# KiCad board PiEEG.kicad_pcb (continued)
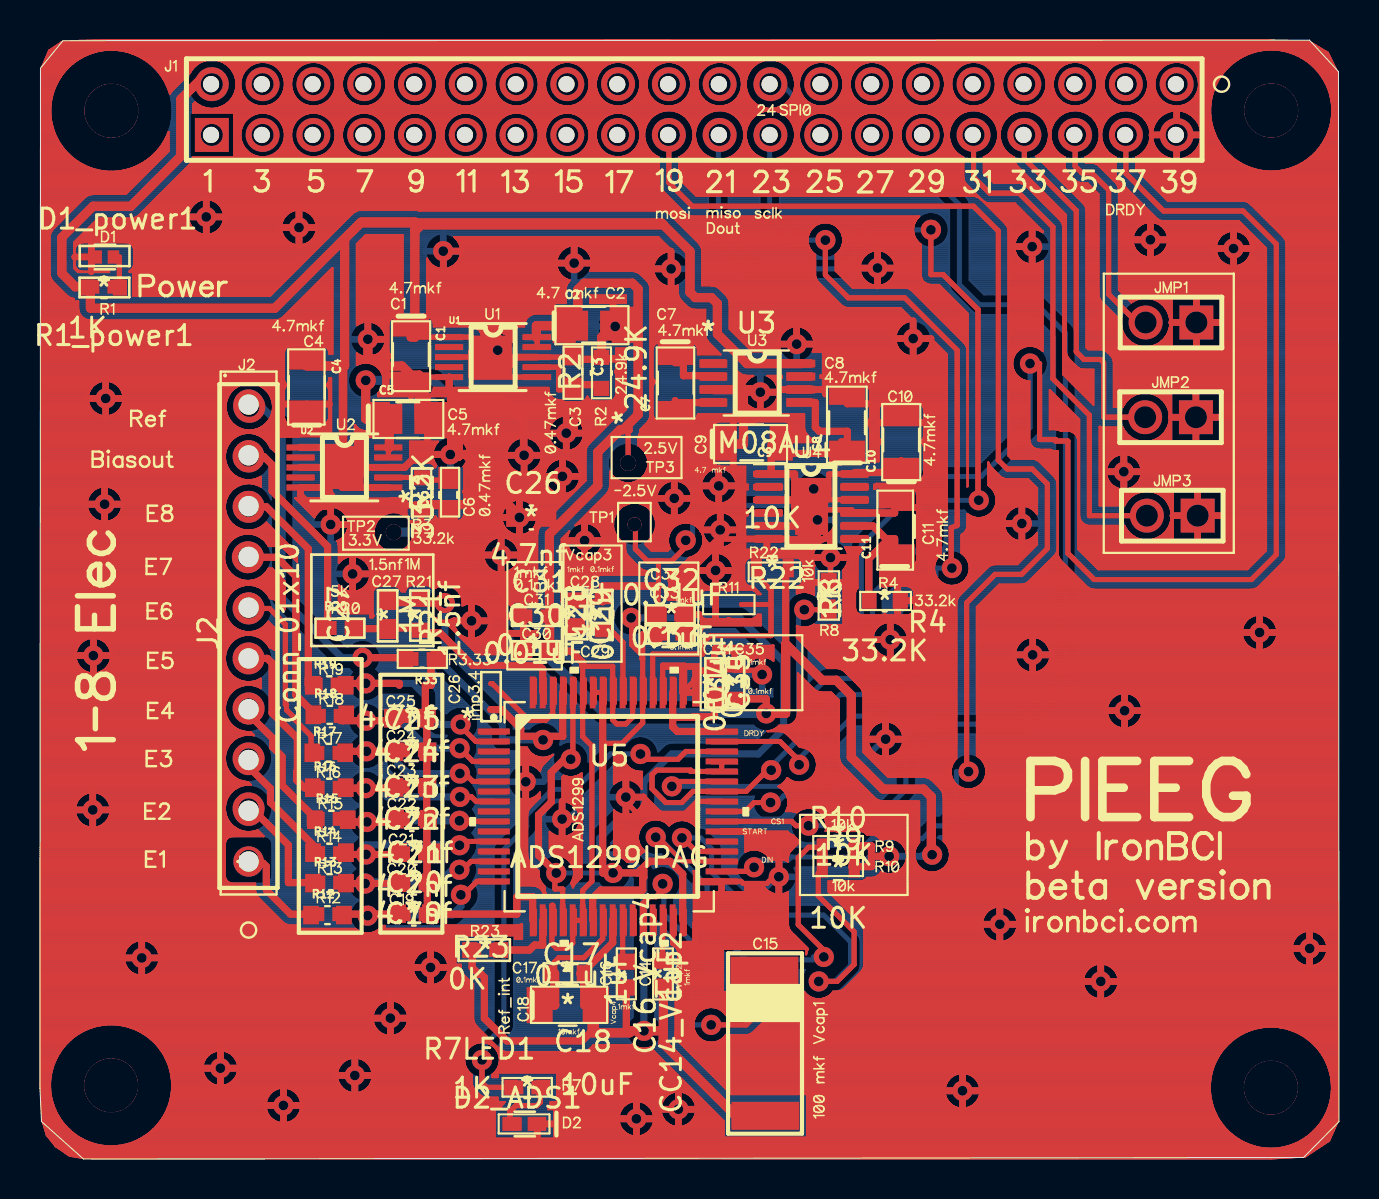
[diagram p0: board, top side]
## Routing (per net, layer and track width the routed paths; a pad name or vN(x,y) marks a point on that pad's centre or on a via; arc(x,y) is an arc through that point) (continued)
; 39.43,46.85 39.48,46.84 ; 39.43,46.85 39.48,46.84 ; 35.52,15.46 35.56,15.47 ; 35.52,15.46 35.56,15.47 ; 35.56,15.47 35.61,15.48 ; 35.56,15.47 35.61,15.48 ; 4.92,6.42 5.05,6.35 ; 4.92,6.42 4.78,6.48 ; 4.92,6.42 4.78,6.48 ; 4.92,6.42 5.05,6.35 ; 5.05,6.35 5.18,6.27 ; 5.05,6.35 5.18,6.27 ; 43.07,54.02 43.1,54.12 ; 43.07,54.02 43.05,53.92 ; 43.07,54.02 43.1,54.12 ; 43.07,54.02 43.05,53.92 ; 43.1,54.12 43.13,54.21 ; 43.1,54.12 43.13,54.21 ; 34.98,54.3 35.02,54.21 ; 34.98,54.3 35.02,54.21 ; 34.98,54.3 34.93,54.39 ; 34.98,54.3 34.93,54.39 ; 35.02,54.21 35.06,54.12 ; 35.02,54.21 35.06,54.12 ; 2.31,6.47 2.44,6.53 ; 2.31,6.47 2.17,6.41 ; 2.31,6.47 2.17,6.41 ; 2.31,6.47 2.44,6.53 ; 2.44,6.53 2.58,6.58 ; 2.44,6.53 2.58,6.58 ; 11.19,16.15 10.89,16.45 ; 11.19,16.15 9.73,16.15 ; 11.19,16.15 9.73,16.15 ; 11.19,16.15 10.89,16.45 ; 10.89,16.45 10.79,16.41 ; 10.89,16.45 10.79,16.41 ; 35.31,29.96 35.35,30 ; 35.31,29.96 35.28,29.91 ; 35.31,29.96 35.28,29.91 ; 35.31,29.96 35.35,30 ; 35.35,30 35.4,30.04 ; 35.35,30 35.4,30.04 ; 20.68,28.6 20.72,28.57 ; 20.68,28.6 20.63,28.62 ; 20.68,28.6 20.72,28.57 ; 20.68,28.6 20.63,28.62 ; 20.72,28.57 20.76,28.55 ; 20.72,28.57 20.76,28.55 ; 8.23,4.96 8.2,4.89 ; 8.23,4.96 8.2,4.89 ; 35.35,28.72 35.31,28.76 ; 35.35,28.72 35.4,28.69 ; 35.35,28.72 35.4,28.69 ; 35.35,28.72 35.31,28.76 ; 35.31,28.76 35.28,28.81 ; 35.31,28.76 35.28,28.81 ; 41.95,37.51 41.95,37.55 ; 41.95,37.51 41.95,37.55 ; 5.85,10.52 5.89,10.46 ; 5.85,10.52 5.89,10.46 ; 5.85,10.52 5.82,10.58 ; 5.85,10.52 5.82,10.58 ; 5.89,10.46 5.92,10.4 ; 5.89,10.46 5.92,10.4 ; 33.01,7.41 33.05,7.44 ; 33.01,7.41 33.05,7.44 ; 33.01,7.41 32.98,7.37 ; 33.01,7.41 32.98,7.37 ; 33.05,7.44 33.09,7.47 ; 33.05,7.44 33.09,7.47 ; 38.2,53.08 38.15,53.16 ; 38.2,53.08 38.27,53 ; 38.2,53.08 38.27,53 ; 38.2,53.08 38.15,53.16 ; 38.15,53.16 38.09,53.25 ; 38.15,53.16 38.09,53.25 ; 58.65,51.62 58.61,51.77 ; 58.65,51.62 58.61,51.77 ; 58.65,51.62 58.69,51.48 ; 58.65,51.62 58.69,51.48 ; 58.61,51.77 58.58,51.92 ; 58.61,51.77 58.58,51.92 ; 27.21,36.45 27.21,36.38 ; 27.21,36.45 27.21,36.38 ; 27.21,36.38 27.22,36.31 ; 27.21,36.38 27.22,36.31 ; 20.86,45.98 20.91,45.92 ; 20.86,45.98 20.82,46.03 ; 20.86,45.98 20.91,45.92 ; 20.86,45.98 20.82,46.03 ; 20.91,45.92 20.94,45.86 ; 20.91,45.92 20.94,45.86 ; 52.17,8.89 52.17,8.96 ; 52.17,8.89 52.17,8.82 ; 52.17,8.89 52.17,8.96 ; 52.17,8.89 52.17,8.82 ; 52.17,8.96 52.18,9.03 ; 52.17,8.96 52.18,9.03 ; 16.64,4.18 16.64,4.17 ; 16.64,4.18 16.64,4.25 ; 16.64,4.18 16.64,4.17 ; 16.64,4.18 16.64,4.25 ; 16.64,4.17 16.64,4.1 ; 16.64,4.17 16.64,4.1 ; 11.06,26.54 10.97,26.49 ; 11.06,26.54 10.97,26.49 ; 10.97,26.49 10.88,26.45 ; 10.97,26.49 10.88,26.45 ; 52.5,28.54 52.46,28.56 ; 52.5,28.54 52.46,28.56 ; 52.5,28.54 52.53,28.52 ; 52.5,28.54 52.53,28.52 ; 52.46,28.56 52.43,28.58 ; 52.46,28.56 52.43,28.58 ; 16.29,39.85 16.34,39.85 ; 16.29,39.85 16.34,39.85 ; 16.29,39.85 16.24,39.85 ; 16.29,39.85 16.24,39.85 ; 16.34,39.85 16.39,39.84 ; 16.34,39.85 16.39,39.84 ; 10.97,34.09 10.88,34.05 ; 10.97,34.09 11.05,34.13 ; 10.97,34.09 11.05,34.13 ; 10.97,34.09 10.88,34.05 ; 10.88,34.05 10.79,34.02 ; 10.88,34.05 10.79,34.02 ; 33.01,28.27 33.03,28.31 ; 33.01,28.27 32.99,28.24 ; 33.01,28.27 33.03,28.31 ; 33.01,28.27 32.99,28.24 ; 33.03,28.31 33.05,28.34 ; 33.03,28.31 33.05,28.34 ; 49.43,52.68 49.34,52.66 ; 49.43,52.68 49.34,52.66 ; 49.43,52.68 49.53,52.7 ; 49.43,52.68 49.53,52.7 ; 49.34,52.66 49.24,52.66 ; 49.34,52.66 49.24,52.66 ; 20.91,28.41 20.94,28.38 ; 20.91,28.41 20.88,28.45 ; 20.91,28.41 20.88,28.45 ; 20.91,28.41 20.94,28.38 ; 20.94,28.38 20.97,28.34 ; 20.94,28.38 20.97,28.34 ; 5.37,10.91 5.44,10.88 ; 5.37,10.91 5.3,10.93 ; 5.37,10.91 5.44,10.88 ; 5.37,10.91 5.3,10.93 ; 5.44,10.88 5.5,10.85 ; 5.44,10.88 5.5,10.85 ; 7.84,46.38 7.9,46.34 ; 7.84,46.38 7.9,46.34 ; 1.74,44.77 1.74,45.5 ; 1.74,44.77 1.74,44.73 ; 1.74,44.77 1.74,45.5 ; 1.74,44.77 1.74,44.73 ; 1.74,45.5 1.74,45.54 ; 1.74,45.5 1.74,45.54 ; 12.6,45.78 12.54,45.81 ; 12.6,45.78 12.67,45.76 ; 12.6,45.78 12.54,45.81 ; 12.6,45.78 12.67,45.76 ; 12.54,45.81 12.48,45.85 ; 12.54,45.81 12.48,45.85 ; 51.78,36.28 51.8,36.25 ; 51.78,36.28 51.8,36.25 ; 51.78,36.28 51.75,36.31 ; 51.78,36.28 51.75,36.31 ; 51.8,36.25 51.83,36.22 ; 51.8,36.25 51.83,36.22 ; 14.57,36.16 14.56,39.06 ; 14.57,36.16 13.08,36.16 ; 14.57,36.16 13.08,36.16 ; 14.57,36.16 14.56,39.06 ; 14.56,39.06 14.47,39.06 ; 14.56,39.06 14.47,39.06 ; 14.63,40.28 14.63,44.58 ; 14.63,40.28 14.47,40.28 ; 14.63,40.28 14.63,44.58 ; 14.63,40.28 14.47,40.28 ; 14.63,44.58 12.18,42.13 ; 14.63,44.58 12.18,42.13 ; 52.02,31.99 52.01,32.03 ; 52.02,31.99 52.04,31.96 ; 52.02,31.99 52.01,32.03 ; 52.02,31.99 52.04,31.96 ; 52.01,32.03 51.99,32.07 ; 52.01,32.03 51.99,32.07 ; 52.27,47.71 52.29,47.68 ; 52.27,47.71 52.25,47.75 ; 52.27,47.71 52.29,47.68 ; 52.27,47.71 52.25,47.75 ; 52.29,47.68 52.3,47.64 ; 52.29,47.68 52.3,47.64 ; 24.68,35.97 24.74,35.93 ; 24.68,35.97 24.62,36 ; 24.68,35.97 24.74,35.93 ; 24.68,35.97 24.62,36 ; 24.74,35.93 24.8,35.88 ; 24.74,35.93 24.8,35.88 ; 19.63,44.71 19.58,44.75 ; 19.63,44.71 19.58,44.75 ; 19.63,44.71 19.69,44.67 ; 19.63,44.71 19.69,44.67 ; 19.58,44.75 19.53,44.8 ; 19.58,44.75 19.53,44.8 ; 64.27,10.99 64.3,10.93 ; 64.27,10.99 64.3,10.93 ; 64.27,10.99 64.23,11.05 ; 64.27,10.99 64.23,11.05 ; 64.3,10.93 64.33,10.87 ; 64.3,10.93 64.33,10.87 ; 36.57,39.08 36.62,39.03 ; 36.57,39.08 36.51,39.12 ; 36.57,39.08 36.51,39.12 ; 36.57,39.08 36.62,39.03 ; 36.62,39.03 36.67,38.98 ; 36.62,39.03 36.67,38.98 ; 37.01,15.01 37.08,15 ; 37.01,15.01 36.94,15.01 ; 37.01,15.01 36.94,15.01 ; 37.01,15.01 37.08,15 ; 37.08,15 37.15,14.99 ; 37.08,15 37.15,14.99 ; 30.3,35.32 30.4,35.06 ; 30.3,35.32 30.4,35.06 ; 30.4,35.06 30.42,35.01 ; 30.4,35.06 30.42,35.01 ; 9.3,32.95 9.33,33.05 ; 9.3,32.95 9.27,32.86 ; 9.3,32.95 9.27,32.86 ; 9.3,32.95 9.33,33.05 ; 9.33,33.05 9.37,33.14 ; 9.33,33.05 9.37,33.14 ; 46.22,4.3 46.29,4.29 ; 46.22,4.3 46.15,4.3 ; 46.22,4.3 46.29,4.29 ; 46.22,4.3 46.15,4.3 ; 46.29,4.29 46.36,4.28 ; 46.29,4.29 46.36,4.28 ; 20.99,45.06 20.96,45 ; 20.99,45.06 21.01,45.13 ; 20.99,45.06 21.01,45.13 ; 20.99,45.06 20.96,45 ; 20.96,45 20.92,44.94 ; 20.96,45 20.92,44.94 ; 7.59,46.61 7.55,46.67 ; 7.59,46.61 7.63,46.56 ; 7.59,46.61 7.63,46.56 ; 7.59,46.61 7.55,46.67 ; 7.55,46.67 7.52,46.73 ; 7.55,46.67 7.52,46.73 ; 33.9,52.66 33.8,52.68 ; 33.9,52.66 33.8,52.68 ; 33.9,52.66 34,52.66 ; 33.9,52.66 34,52.66 ; 33.8,52.68 33.7,52.7 ; 33.8,52.68 33.7,52.7 ; 38.74,40.81 38.74,40.74 ; 38.74,40.81 38.73,40.88 ; 38.74,40.81 38.73,40.88 ; 38.74,40.81 38.74,40.74 ; 38.74,40.74 38.73,40.67 ; 38.74,40.74 38.73,40.67 ; 12.34,38.73 12.29,38.77 ; 12.34,38.73 12.34,38.72 ; 12.34,38.73 12.34,38.72 ; 12.34,38.73 12.29,38.77 ; 12.29,38.77 12.26,38.82 ; 12.29,38.77 12.26,38.82 ; 38.27,54.54 38.34,54.61 ; 38.27,54.54 38.2,54.47 ; 38.27,54.54 38.34,54.61 ; 38.27,54.54 38.2,54.47 ; 38.34,54.61 38.42,54.68 ; 38.34,54.61 38.42,54.68 ; 43.7,46.68 43.71,46.73 ; 43.7,46.68 43.69,46.64 ; 43.7,46.68 43.71,46.73 ; 43.7,46.68 43.69,46.64 ; 43.71,46.73 43.72,46.78 ; 43.71,46.73 43.72,46.78 ; 38.05,53.34 38.02,53.43 ; 38.05,53.34 38.09,53.25 ; 38.05,53.34 38.02,53.43 ; 38.05,53.34 38.09,53.25 ; 38.02,53.43 37.99,53.53 ; 38.02,53.43 37.99,53.53 ; 29.72,54.54 29.79,54.47 ; 29.72,54.54 29.65,54.61 ; 29.72,54.54 29.65,54.61 ; 29.72,54.54 29.79,54.47 ; 29.79,54.47 29.85,54.39 ; 29.79,54.47 29.85,54.39 ; 29.36,14.87 29.67,14.87 ; 29.36,14.87 29.67,14.87 ; 29.67,14.87 30.09,15.29 ; 29.67,14.87 30.09,15.29 ; 59.19,50.56 59.1,50.68 ; 59.19,50.56 59.28,50.45 ; 59.19,50.56 59.28,50.45 ; 59.19,50.56 59.1,50.68 ; 59.1,50.68 59.01,50.81 ; 59.1,50.68 59.01,50.81 ; 32.66,3.01 32.7,2.95 ; 32.66,3.01 32.7,2.95 ; 32.66,3.01 32.62,3.07 ; 32.66,3.01 32.62,3.07 ; 32.7,2.95 32.73,2.89 ; 32.7,2.95 32.73,2.89 ; 6.61,3.64 6.6,3.49 ; 6.61,3.64 6.61,3.77 ; 6.61,3.64 6.61,3.77 ; 6.61,3.64 6.6,3.49 ; 6.6,3.49 6.59,3.34 ; 6.6,3.49 6.59,3.34 ; 10.45,36.33 10.55,36.32 ; 10.45,36.33 10.35,36.33 ; 10.45,36.33 10.55,36.32 ; 10.45,36.33 10.35,36.33 ; 10.55,36.32 10.65,36.31 ; 10.55,36.32 10.65,36.31 ; 48.66,39.55 48.65,39.6 ; 48.66,39.55 48.68,39.5 ; 48.66,39.55 48.68,39.5 ; 48.66,39.55 48.65,39.6 ; 48.65,39.6 48.64,39.65 ; 48.65,39.6 48.64,39.65 ; 23.11,32.32 23.13,32.38 ; 23.11,32.32 23.13,32.38 ; 23.11,32.32 23.1,32.25 ; 23.11,32.32 23.1,32.25 ; 23.13,32.38 23.16,32.45 ; 23.13,32.38 23.16,32.45 ; 0.53,52.15 0.52,52.3 ; 0.53,52.15 0.52,52.3 ; 0.53,52.15 0.55,52 ; 0.53,52.15 0.55,52 ; 0.52,52.3 0.52,52.45 ; 0.52,52.3 0.52,52.45 ; 42.09,43.71 42.02,43.69 ; 42.09,43.71 42.02,43.69 ; 42.09,43.71 42.16,43.72 ; 42.09,43.71 42.16,43.72 ; 42.02,43.69 41.95,43.69 ; 42.02,43.69 41.95,43.69 ; 41.94,25.31 41.89,25.36 ; 41.94,25.31 42,25.27 ; 41.94,25.31 41.89,25.36 ; 41.94,25.31 42,25.27 ; 41.89,25.36 41.84,25.41 ; 41.89,25.36 41.84,25.41 ; 62.67,55.31 62.81,55.25 ; 62.67,55.31 62.53,55.36 ; 62.67,55.31 62.81,55.25 ; 62.67,55.31 62.53,55.36 ; 2.77,33.53 2.83,33.56 ; 2.77,33.53 2.71,33.49 ; 2.77,33.53 2.71,33.49 ; 2.77,33.53 2.83,33.56 ; 2.83,33.56 2.9,33.59 ; 2.83,33.56 2.9,33.59 ; 43.78,15.52 43.8,15.56 ; 43.78,15.52 43.77,15.47 ; 43.78,15.52 43.8,15.56 ; 43.78,15.52 43.77,15.47 ; 43.8,15.56 43.82,15.61 ; 43.8,15.56 43.82,15.61 ; 4.45,49.52 4.31,49.48 ; 4.45,49.52 4.6,49.57 ; 4.45,49.52 4.6,49.57 ; 4.45,49.52 4.31,49.48 ; 4.31,49.48 4.16,49.45 ; 4.31,49.48 4.16,49.45 ; 16.69,28.49 16.73,28.54 ; 16.69,28.49 16.67,28.43 ; 16.69,28.49 16.73,28.54 ; 16.69,28.49 16.67,28.43 ; 16.73,28.54 16.77,28.58 ; 16.73,28.54 16.77,28.58 ; 11.64,37.82 11.65,37.72 ; 11.64,37.82 11.62,37.92 ; 11.64,37.82 11.65,37.72 ; 11.64,37.82 11.62,37.92 ; 11.65,37.72 11.65,37.63 ; 11.65,37.72 11.65,37.63 ; 41.23,9.69 41.23,9.65 ; 41.23,9.69 41.23,9.73 ; 41.23,9.69 41.23,9.73 ; 41.23,9.69 41.23,9.65 ; 9.37,33.14 9.41,33.23 ; 9.37,33.14 9.41,33.23 ; 17.27,53.43 17.24,53.34 ; 17.27,53.43 17.3,53.53 ; 17.27,53.43 17.3,53.53 ; 17.27,53.43 17.24,53.34 ; 5.76,9.48 5.71,9.42 ; 5.76,9.48 5.81,9.53 ; 5.76,9.48 5.81,9.53 ; 5.76,9.48 5.71,9.42 ; 5.71,9.42 5.66,9.38 ; 5.71,9.42 5.66,9.38 ; 1.94,44.44 1.9,44.46 ; 1.94,44.44 1.9,44.46 ; 1.94,44.44 1.97,44.42 ; 1.94,44.44 1.97,44.42 ; 1.9,44.46 1.87,44.49 ; 1.9,44.46 1.87,44.49 ; 50.91,35.41 50.8,35.41 ; 50.91,35.41 50.91,30.35 ; 50.91,35.41 50.91,30.35 ; 50.91,35.41 50.8,35.41 ; 50.8,35.41 50.76,35.41 ; 50.8,35.41 50.76,35.41 ; 32.77,51.41 32.79,51.51 ; 32.77,51.41 32.76,51.31 ; 32.77,51.41 32.79,51.51 ; 32.77,51.41 32.76,51.31 ; 32.79,51.51 32.82,51.6 ; 32.79,51.51 32.82,51.6 ; 33.65,36.59 33.65,36.63 ; 33.65,36.59 33.64,36.55 ; 33.65,36.59 33.64,36.55 ; 33.65,36.59 33.65,36.63 ; 33.65,36.63 33.67,36.67 ; 33.65,36.63 33.67,36.67 ; 25.96,45.3 26,45.35 ; 25.96,45.3 25.93,45.23 ; 25.96,45.3 25.93,45.23 ; 25.96,45.3 26,45.35 ; 26,45.35 26.04,45.41 ; 26,45.35 26.04,45.41 ; 2.68,49.52 2.54,49.57 ; 2.68,49.52 2.54,49.57 ; 2.68,49.52 2.82,49.48 ; 2.68,49.52 2.82,49.48 ; 2.54,49.57 2.4,49.63 ; 2.54,49.57 2.4,49.63 ; 48.64,39.65 48.63,39.69 ; 48.64,39.65 48.63,39.69 ; 45.91,28.72 45.86,28.71 ; 45.91,28.72 45.86,28.71 ; 45.86,28.71 45.81,28.69 ; 45.86,28.71 45.81,28.69 ; 30.55,1.48 30.5,1.43 ; 30.55,1.48 30.5,1.43 ; 30.55,1.48 30.59,1.54 ; 30.55,1.48 30.59,1.54 ; 30.5,1.43 30.46,1.38 ; 30.5,1.43 30.46,1.38 ; 2.59,32.14 2.55,32.19 ; 2.59,32.14 2.55,32.19 ; 2.59,32.14 2.65,32.09 ; 2.59,32.14 2.65,32.09 ; 2.55,32.19 2.5,32.24 ; 2.55,32.19 2.5,32.24 ; 24.01,36.08 24.08,36.09 ; 24.01,36.08 23.94,36.06 ; 24.01,36.08 23.94,36.06 ; 24.01,36.08 24.08,36.09 ; 24.08,36.09 24.15,36.1 ; 24.08,36.09 24.15,36.1 ; 19.69,34.95 19.67,35.02 ; 19.69,34.95 19.67,35.02 ; 19.69,34.95 19.71,34.89 ; 19.69,34.95 19.71,34.89 ; 19.67,35.02 19.65,35.09 ; 19.67,35.02 19.65,35.09 ; 14.45,38.56 14.46,38.52 ; 14.45,38.56 14.43,38.59 ; 14.45,38.56 14.43,38.59 ; 14.45,38.56 14.46,38.52 ; 14.46,38.52 14.47,38.48 ; 14.46,38.52 14.47,38.48 ; 14.69,32.63 14.76,32.61 ; 14.69,32.63 14.62,32.63 ; 14.69,32.63 14.76,32.61 ; 14.69,32.63 14.62,32.63 ; 14.76,32.61 14.82,32.59 ; 14.76,32.61 14.82,32.59 ; 41.62,54.89 41.72,54.88 ; 41.62,54.89 41.52,54.88 ; 41.62,54.89 41.52,54.88 ; 41.62,54.89 41.72,54.88 ; 16.32,52.66 16.22,52.66 ; 16.32,52.66 16.22,52.66 ; 16.32,52.66 16.41,52.68 ; 16.32,52.66 16.41,52.68 ; 16.22,52.66 16.12,52.66 ; 16.22,52.66 16.12,52.66 ; 15.29,4.95 15.35,4.98 ; 15.29,4.95 15.35,4.98 ; 15.29,4.95 15.23,4.91 ; 15.29,4.95 15.23,4.91 ; 15.35,4.98 15.41,5.01 ; 15.35,4.98 15.41,5.01 ; 33.91,7.54 33.96,7.52 ; 33.91,7.54 33.96,7.52 ; 33.91,7.54 33.86,7.55 ; 33.91,7.54 33.86,7.55 ; 33.96,7.52 34,7.49 ; 33.96,7.52 34,7.49 ; 46.13,28.84 46.09,28.81 ; 46.13,28.84 46.17,28.87 ; 46.13,28.84 46.09,28.81 ; 46.13,28.84 46.17,28.87 ; 46.09,28.81 46.04,28.78 ; 46.09,28.81 46.04,28.78 ; 32.82,51.6 32.85,51.7 ; 32.82,51.6 32.85,51.7 ; 32.85,51.7 32.89,51.79 ; 32.85,51.7 32.89,51.79 ; 56.43,42.34 56.47,42.25 ; 56.43,42.34 56.39,42.43 ; 56.43,42.34 56.39,42.43 ; 56.43,42.34 56.47,42.25 ; 56.47,42.25 56.5,42.15 ; 56.47,42.25 56.5,42.15 ; 24.41,52.82 24.32,52.77 ; 24.41,52.82 24.49,52.87 ; 24.41,52.82 24.49,52.87 ; 24.41,52.82 24.32,52.77 ; 24.32,52.77 24.23,52.73 ; 24.32,52.77 24.23,52.73 ; 56.52,31.75 56.55,31.84 ; 56.52,31.75 56.55,31.84 ; 39.4,30.97 39.47,30.98 ; 39.4,30.97 39.33,30.96 ; 39.4,30.97 39.47,30.98 ; 39.4,30.97 39.33,30.96 ; 39.47,30.98 39.54,30.98 ; 39.47,30.98 39.54,30.98 ; 3.7,33.52 3.76,33.48 ; 3.7,33.52 3.64,33.55 ; 3.7,33.52 3.64,33.55 ; 3.7,33.52 3.76,33.48 ; 3.76,33.48 3.81,33.44 ; 3.76,33.48 3.81,33.44 ; 29.3,17.21 29.23,17.22 ; 29.3,17.21 29.23,17.22 ; 30.25,51.51 30.28,51.6 ; 30.25,51.51 30.28,51.6 ; 30.25,51.51 30.23,51.41 ; 30.25,51.51 30.23,51.41 ; 30.28,51.6 30.31,51.7 ; 30.28,51.6 30.31,51.7 ; 32.19,52.94 32.11,52.87 ; 32.19,52.94 32.26,53 ; 32.19,52.94 32.11,52.87 ; 32.19,52.94 32.26,53 ; 32.11,52.87 32.03,52.82 ; 32.11,52.87 32.03,52.82 ; 49.4,46.51 49.47,46.53 ; 49.4,46.51 49.34,46.49 ; 49.4,46.51 49.34,46.49 ; 49.4,46.51 49.47,46.53 ; 49.47,46.53 49.54,46.54 ; 49.47,46.53 49.54,46.54 ; 12.69,54.3 12.75,54.39 ; 12.69,54.3 12.65,54.21 ; 12.69,54.3 12.65,54.21 ; 12.69,54.3 12.75,54.39 ; 12.75,54.39 12.8,54.47 ; 12.75,54.39 12.8,54.47 ; 35.35,25.22 35.38,25.19 ; 35.35,25.22 35.32,25.25 ; 35.35,25.22 35.32,25.25 ; 35.35,25.22 35.38,25.19 ; 35.38,25.19 35.41,25.16 ; 35.38,25.19 35.41,25.16 ; 45.7,51.96 45.76,52.04 ; 45.7,51.96 45.64,51.87 ; 45.7,51.96 45.64,51.87 ; 45.7,51.96 45.76,52.04 ; 45.76,52.04 45.83,52.11 ; 45.76,52.04 45.83,52.11 ; 28.52,54.82 28.62,54.85 ; 28.52,54.82 28.62,54.85 ; 28.62,54.85 28.72,54.87 ; 28.62,54.85 28.72,54.87 ; 2.17,6.41 2.04,6.34 ; 2.17,6.41 2.04,6.34 ; 42.39,27.21 42.35,27.21 ; 42.39,27.21 42.35,27.21 ; 42.39,27.21 42.43,27.2 ; 42.39,27.21 42.43,27.2 ; 42.35,27.21 42.31,27.23 ; 42.35,27.21 42.31,27.23 ; 33.87,30.33 33.94,30.33 ; 33.87,30.33 33.8,30.34 ; 33.87,30.33 33.94,30.33 ; 33.87,30.33 33.8,30.34 ; 33.94,30.33 34.01,30.31 ; 33.94,30.33 34.01,30.31 ; 24.44,31.33 24.38,31.3 ; 24.44,31.33 24.38,31.3 ; 24.44,31.33 24.5,31.37 ; 24.44,31.33 24.5,31.37 ; 24.38,31.3 24.31,31.27 ; 24.38,31.3 24.31,31.27 ; 16.05,11.35 16,11.37 ; 16.05,11.35 16,11.37 ; 16.05,11.35 16.1,11.33 ; 16.05,11.35 16.1,11.33 ; 16,11.37 15.96,11.4 ; 16,11.37 15.96,11.4 ; 43.69,27.4 43.67,27.37 ; 43.69,27.4 43.71,27.44 ; 43.69,27.4 43.71,27.44 ; 43.69,27.4 43.67,27.37 ; 43.67,27.37 43.65,27.34 ; 43.67,27.37 43.65,27.34 ; 36.42,50.01 36.32,50.02 ; 36.42,50.01 36.32,50.02 ; 36.32,50.02 36.23,50.04 ; 36.32,50.02 36.23,50.04 ; 32.69,51.34 32.69,51.23 ; 32.69,51.34 32.67,51.44 ; 32.69,51.34 32.69,51.23 ; 32.69,51.34 32.67,51.44 ; 32.69,51.23 32.69,51.13 ; 32.69,51.23 32.69,51.13 ; 35.14,38.37 35.14,38.44 ; 35.14,38.37 35.14,38.44 ; 56.97,52.46 57.05,52.45 ; 56.97,52.46 57.05,52.45 ; 56.97,52.46 56.89,52.47 ; 56.97,52.46 56.89,52.47 ; 57.05,52.45 57.13,52.44 ; 57.05,52.45 57.13,52.44 ; 44.1,35.91 44.08,35.89 ; 44.1,35.91 44.13,35.94 ; 44.1,35.91 44.08,35.89 ; 44.1,35.91 44.13,35.94 ; 44.08,35.89 44.08,35.88 ; 44.08,35.89 44.08,35.88 ; 21.22,4.95 21.22,5 ; 21.22,4.95 21.22,5 ; 21.22,4.95 21.22,4.9 ; 21.22,4.95 21.22,4.9 ; 21.22,5 21.22,5.05 ; 21.22,5 21.22,5.05 ; 30.93,36.92 30.87,36.93 ; 30.93,36.92 30.87,36.93 ; 30.93,36.92 30.99,36.91 ; 30.93,36.92 30.99,36.91 ; 30.87,36.93 30.82,36.96 ; 30.87,36.93 30.82,36.96 ; 40.41,29.88 40.39,29.81 ; 40.41,29.88 40.42,29.95 ; 40.41,29.88 40.42,29.95 ; 40.41,29.88 40.39,29.81 ; 40.39,29.81 40.36,29.75 ; 40.39,29.81 40.36,29.75 ; 44.73,54.73 44.64,54.78 ; 44.73,54.73 44.64,54.78 ; 30.98,48.65 30.97,48.68 ; 30.98,48.65 30.97,48.68 ; 30.98,48.65 31,48.61 ; 30.98,48.65 31,48.61 ; 30.97,48.68 30.96,48.72 ; 30.97,48.68 30.96,48.72 ; 40.19,53.72 40.18,53.62 ; 40.19,53.72 40.19,53.82 ; 40.19,53.72 40.18,53.62 ; 40.19,53.72 40.19,53.82 ; 40.18,53.62 40.16,53.53 ; 40.18,53.62 40.16,53.53 ; 29.31,50.19 29.21,50.16 ; 29.31,50.19 29.21,50.16 ; 29.31,50.19 29.4,50.23 ; 29.31,50.19 29.4,50.23 ; 29.21,50.16 29.11,50.14 ; 29.21,50.16 29.11,50.14 ; 1.77,44.61 1.76,44.65 ; 1.77,44.61 1.76,44.65 ; 1.77,44.61 1.79,44.58 ; 1.77,44.61 1.79,44.58 ; 1.76,44.65 1.75,44.69 ; 1.76,44.65 1.75,44.69 ; 56.49,36.86 56.46,36.77 ; 56.49,36.86 56.46,36.77 ; 56.49,36.86 56.5,36.96 ; 56.49,36.86 56.5,36.96 ; 56.46,36.77 56.43,36.67 ; 56.46,36.77 56.43,36.67 ; 55,33.97 54.97,33.91 ; 55,33.97 55.03,34.03 ; 55,33.97 55.03,34.03 ; 55,33.97 54.97,33.91 ; 54.97,33.91 54.93,33.85 ; 54.97,33.91 54.93,33.85 ; 28.69,37.99 28.64,37.96 ; 28.69,37.99 28.64,37.96 ; 28.69,37.99 28.73,38.04 ; 28.69,37.99 28.73,38.04 ; 32.08,3.37 32.15,3.36 ; 32.08,3.37 32.15,3.36 ; 32.08,3.37 32.01,3.38 ; 32.08,3.37 32.01,3.38 ; 43.82,33.45 43.84,33.42 ; 43.82,33.45 43.84,33.42 ; 43.82,33.45 43.8,33.48 ; 43.82,33.45 43.8,33.48 ; 43.84,33.42 43.86,33.38 ; 43.84,33.42 43.86,33.38 ; 26.18,54.87 26.28,54.88 ; 26.18,54.87 26.08,54.85 ; 26.18,54.87 26.08,54.85 ; 26.18,54.87 26.28,54.88 ; 26.28,54.88 26.38,54.89 ; 26.28,54.88 26.38,54.89 ; 31.82,7.89 31.8,7.86 ; 31.82,7.89 31.86,7.93 ; 31.82,7.89 31.86,7.93 ; 31.82,7.89 31.8,7.86 ; 31.8,7.86 31.79,7.83 ; 31.8,7.86 31.79,7.83 ; 45.14,50.71 45.09,50.62 ; 45.14,50.71 45.18,50.8 ; 45.14,50.71 45.09,50.62 ; 45.14,50.71 45.18,50.8 ; 45.09,50.62 45.03,50.54 ; 45.09,50.62 45.03,50.54 ; 40.27,42.6 40.23,42.61 ; 40.27,42.6 40.31,42.59 ; 40.27,42.6 40.31,42.59 ; 40.27,42.6 40.23,42.61 ; 40.23,42.61 40.2,42.63 ; 40.23,42.61 40.2,42.63 ; 56.76,52.66 56.66,52.68 ; 56.76,52.66 56.86,52.66 ; 56.76,52.66 56.66,52.68 ; 56.76,52.66 56.86,52.66 ; 56.66,52.68 56.56,52.7 ; 56.66,52.68 56.56,52.7 ; 46.39,40.42 46.39,33.65 ; 46.39,40.42 46.39,40.51 ; 46.39,40.42 46.39,40.51 ; 46.39,40.42 46.39,33.65 ; 46.39,33.65 46.41,33.66 ; 46.39,33.65 46.41,33.66 ; 33.22,30.13 33.27,30.17 ; 33.22,30.13 33.27,30.17 ; 33.22,30.13 33.17,30.08 ; 33.22,30.13 33.17,30.08 ; 33.27,30.17 33.33,30.21 ; 33.27,30.17 33.33,30.21 ; 34.22,32.83 34.15,32.81 ; 34.22,32.83 34.28,32.85 ; 34.22,32.83 34.28,32.85 ; 34.22,32.83 34.15,32.81 ; 34.15,32.81 34.08,32.79 ; 34.15,32.81 34.08,32.79 ; 58.63,2.74 58.59,2.88 ; 58.63,2.74 58.59,2.88 ; 58.63,2.74 58.67,2.6 ; 58.63,2.74 58.67,2.6 ; 58.59,2.88 58.56,3.03 ; 58.59,2.88 58.56,3.03 ; 16.16,4.97 16.22,4.94 ; 16.16,4.97 16.09,5 ; 16.16,4.97 16.09,5 ; 16.16,4.97 16.22,4.94 ; 16.22,4.94 16.28,4.9 ; 16.22,4.94 16.28,4.9 ; 16.37,41.9 16.44,41.9 ; 16.37,41.9 16.3,41.9 ; 16.37,41.9 16.3,41.9 ; 16.37,41.9 16.44,41.9 ; 16.44,41.9 16.51,41.9 ; 16.44,41.9 16.51,41.9 ; 24.95,14.11 24.94,14.16 ; 24.95,14.11 24.94,14.16 ; 24.95,14.11 24.97,14.06 ; 24.95,14.11 24.97,14.06 ; 24.94,14.16 24.94,14.21 ; 24.94,14.16 24.94,14.21 ; 29.52,19.54 29.48,19.57 ; 29.52,19.54 29.56,19.51 ; 29.52,19.54 29.48,19.57 ; 29.52,19.54 29.56,19.51 ; 29.48,19.57 29.44,19.6 ; 29.48,19.57 29.44,19.6 ; 16.45,29.64 16.48,29.57 ; 16.45,29.64 16.42,29.7 ; 16.45,29.64 16.42,29.7 ; 16.45,29.64 16.48,29.57 ; 16.48,29.57 16.5,29.5 ; 16.48,29.57 16.5,29.5 ; 41.32,52.31 41.42,52.33 ; 41.32,52.31 41.42,52.33 ; 41.32,52.31 41.22,52.28 ; 41.32,52.31 41.22,52.28 ; 41.42,52.33 41.52,52.34 ; 41.42,52.33 41.52,52.34 ; 23.19,32.51 23.22,32.57 ; 23.19,32.51 23.16,32.45 ; 23.19,32.51 23.16,32.45 ; 23.19,32.51 23.22,32.57 ; 52.83,49.79 52.87,49.77 ; 52.83,49.79 